# Altium PCB PCB.PcbDoc
Units mm, origin at the board's own origin, x right, y up, seen from the top; angles counter-clockwise.
Board outline 31 x 18 mm, 6 copper layers (L01, L02, L03, L04, L05, L06), stack 0.816 mm thick; 56 components, 32 nets, 187 pads, 137 vias.
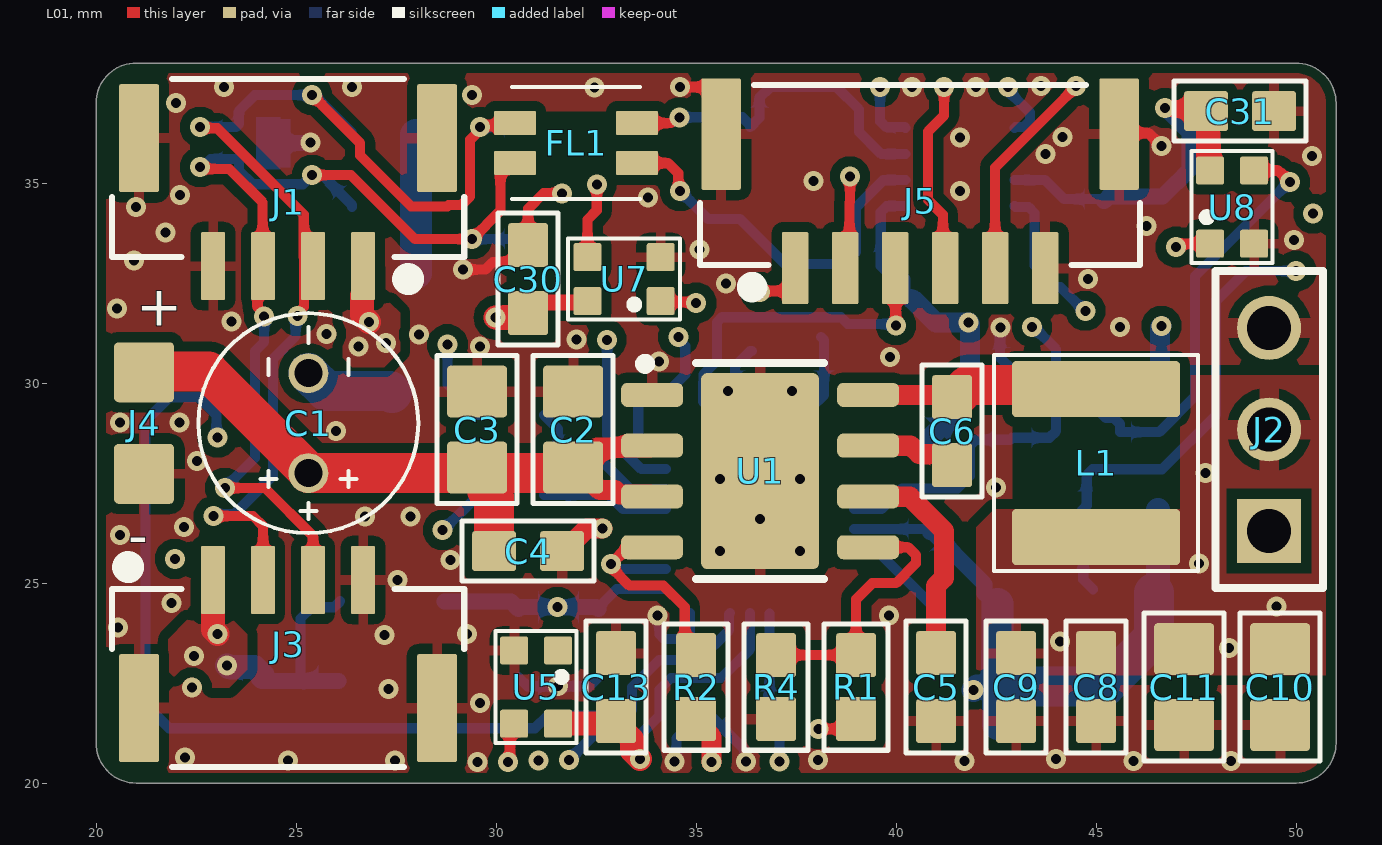
[diagram p0: L01 view]
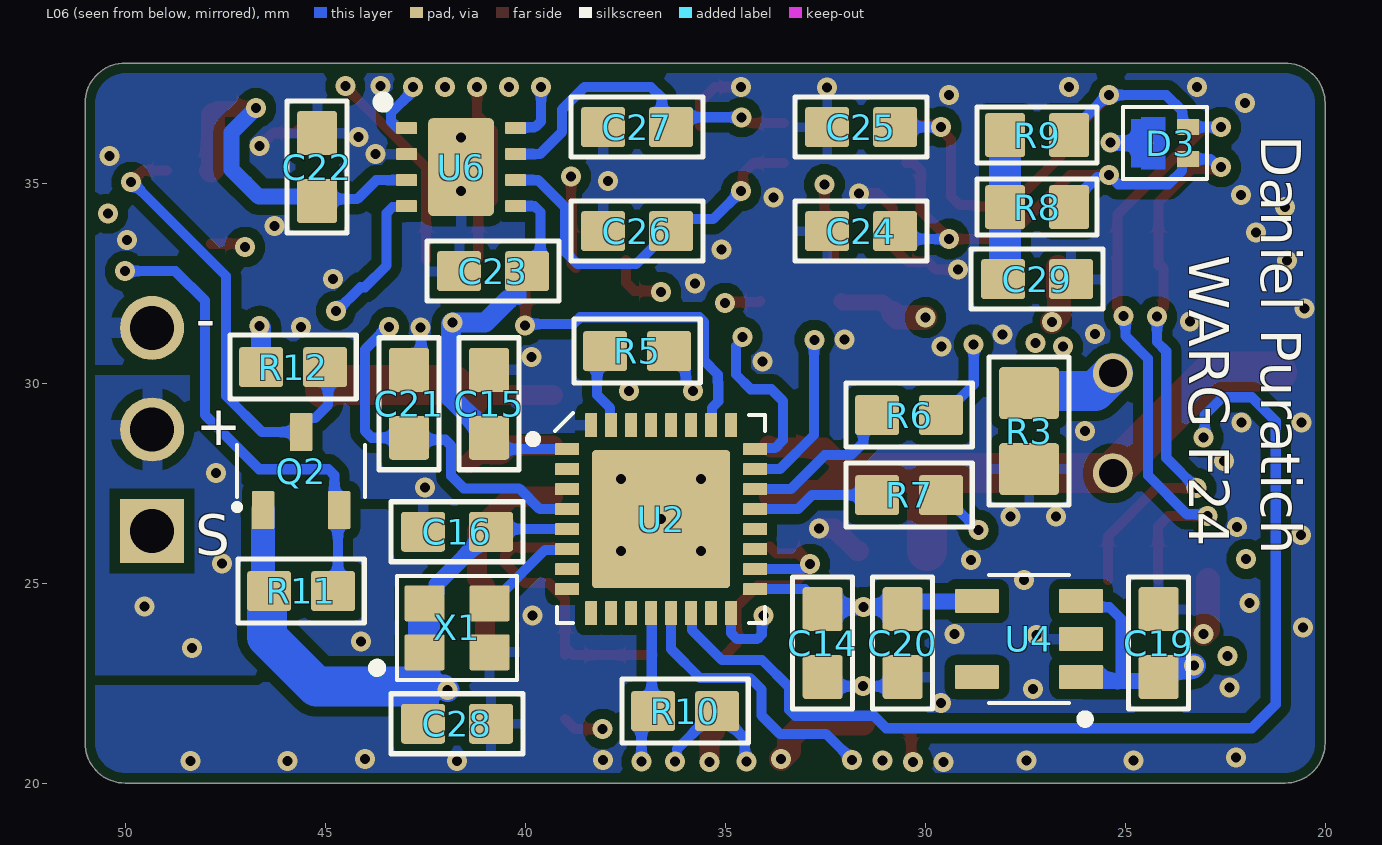
[diagram p1: L06 view, seen from below]
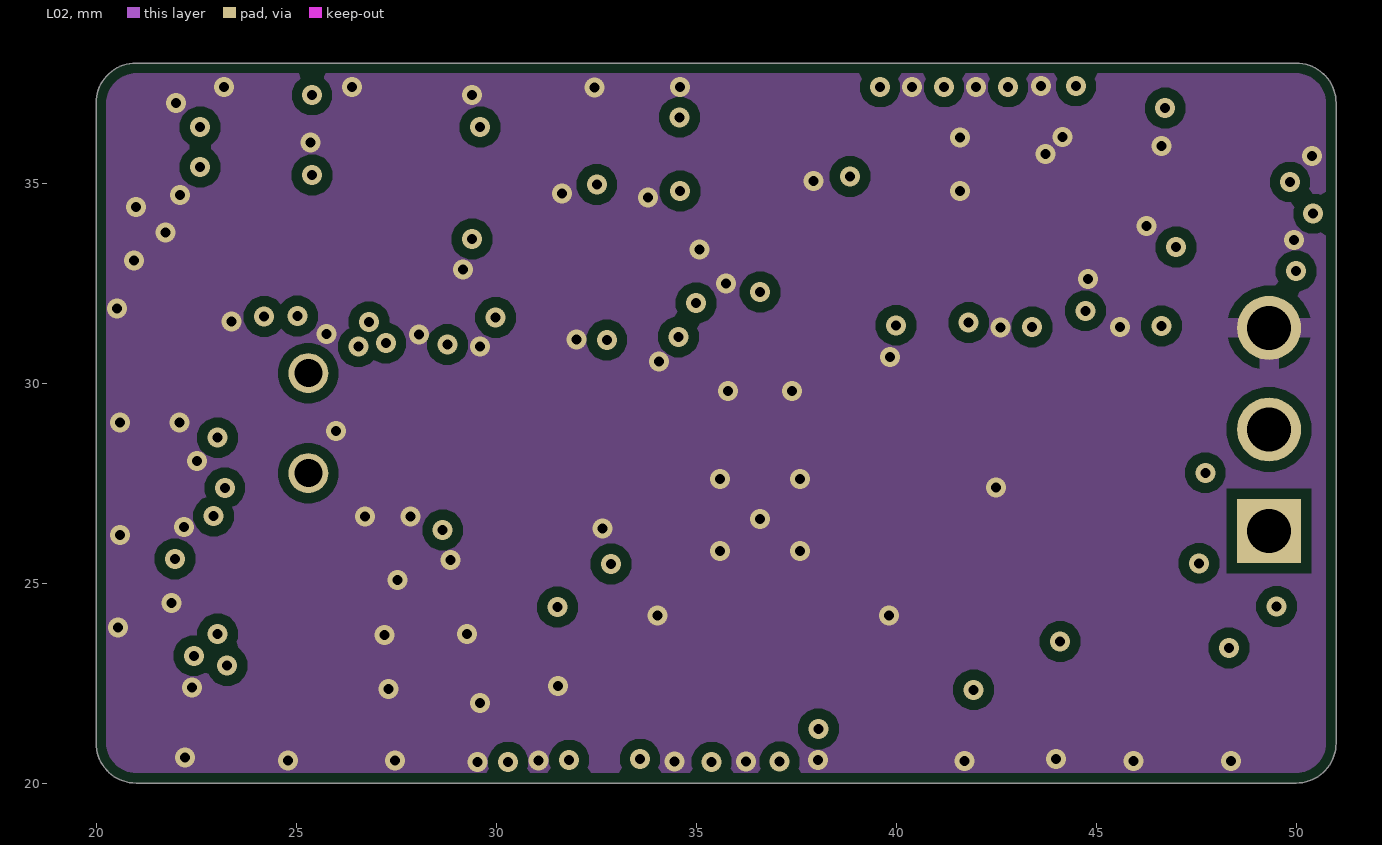
[diagram p2: L02]
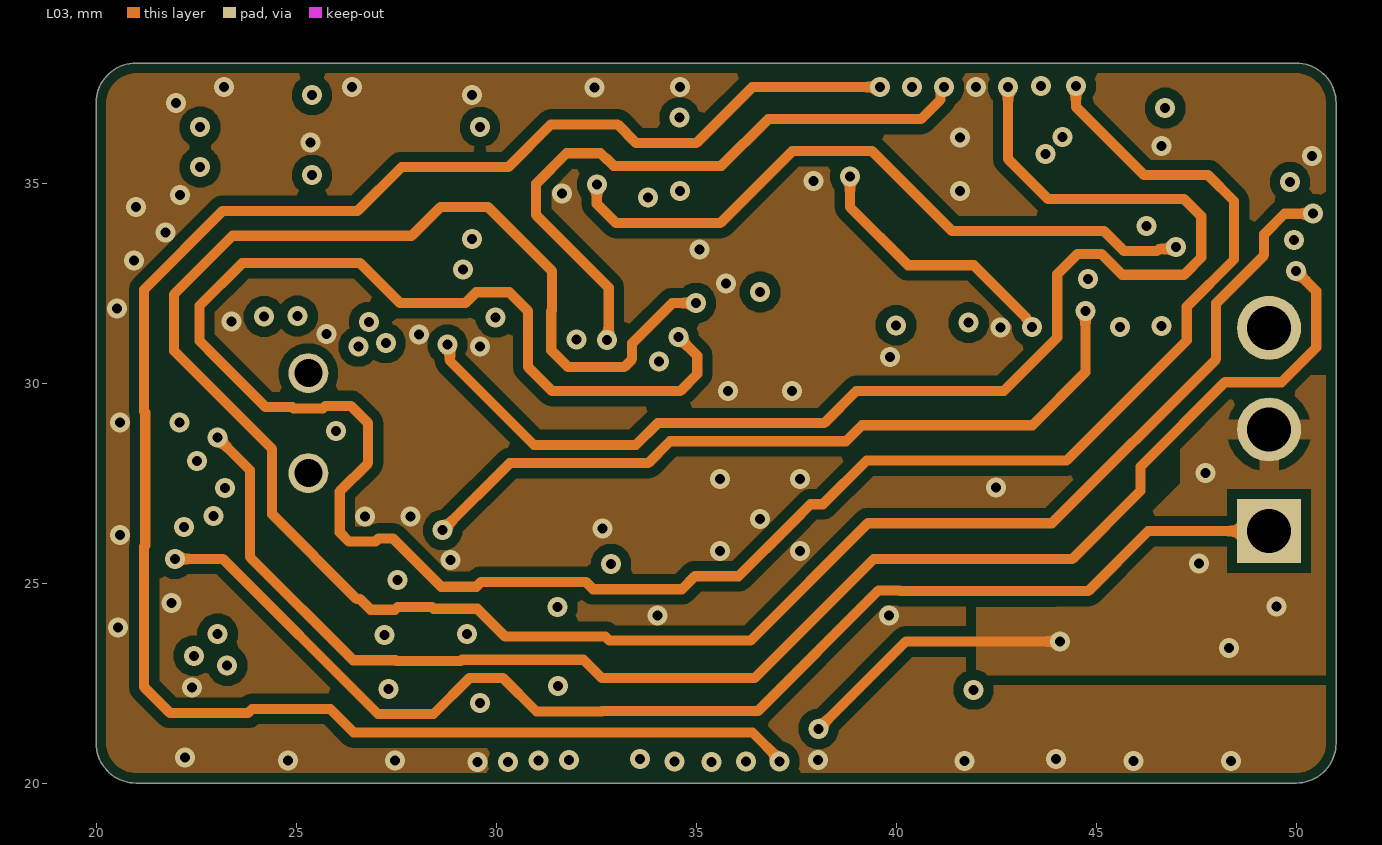
[diagram p3: L03]
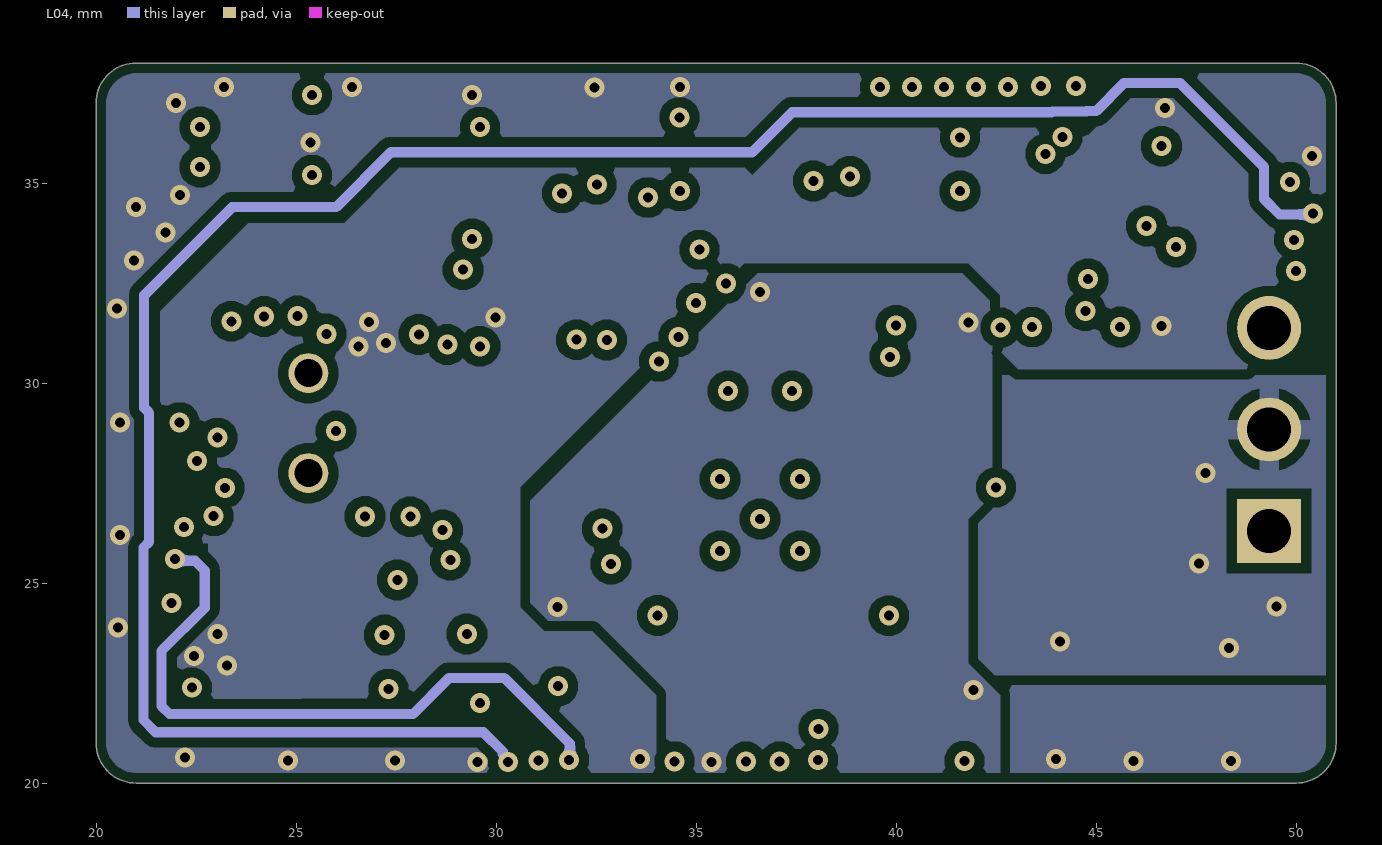
[diagram p4: L04]
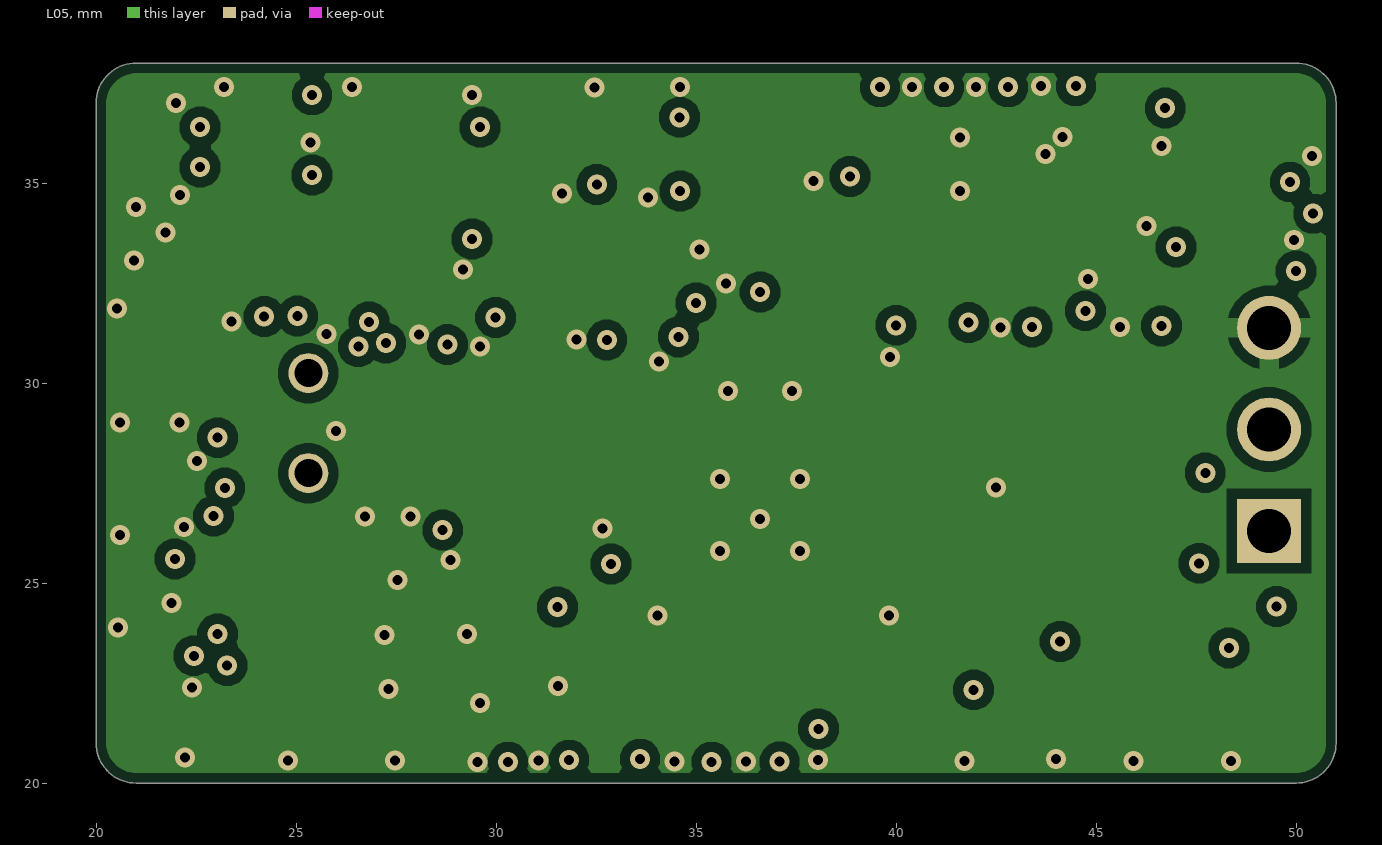
[diagram p5: L05]
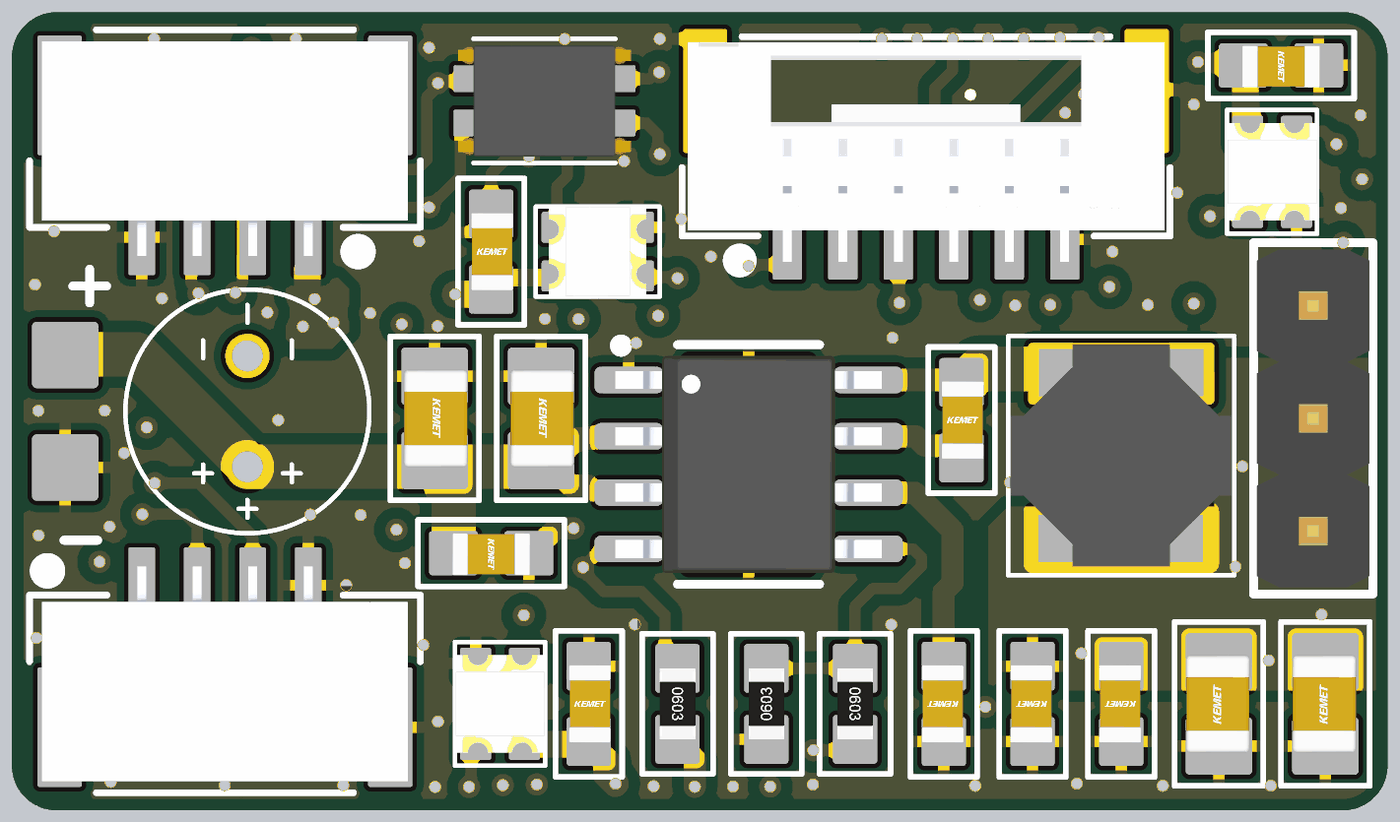
[diagram p6: 3D render of the assembled board from above, using the file's embedded part models]
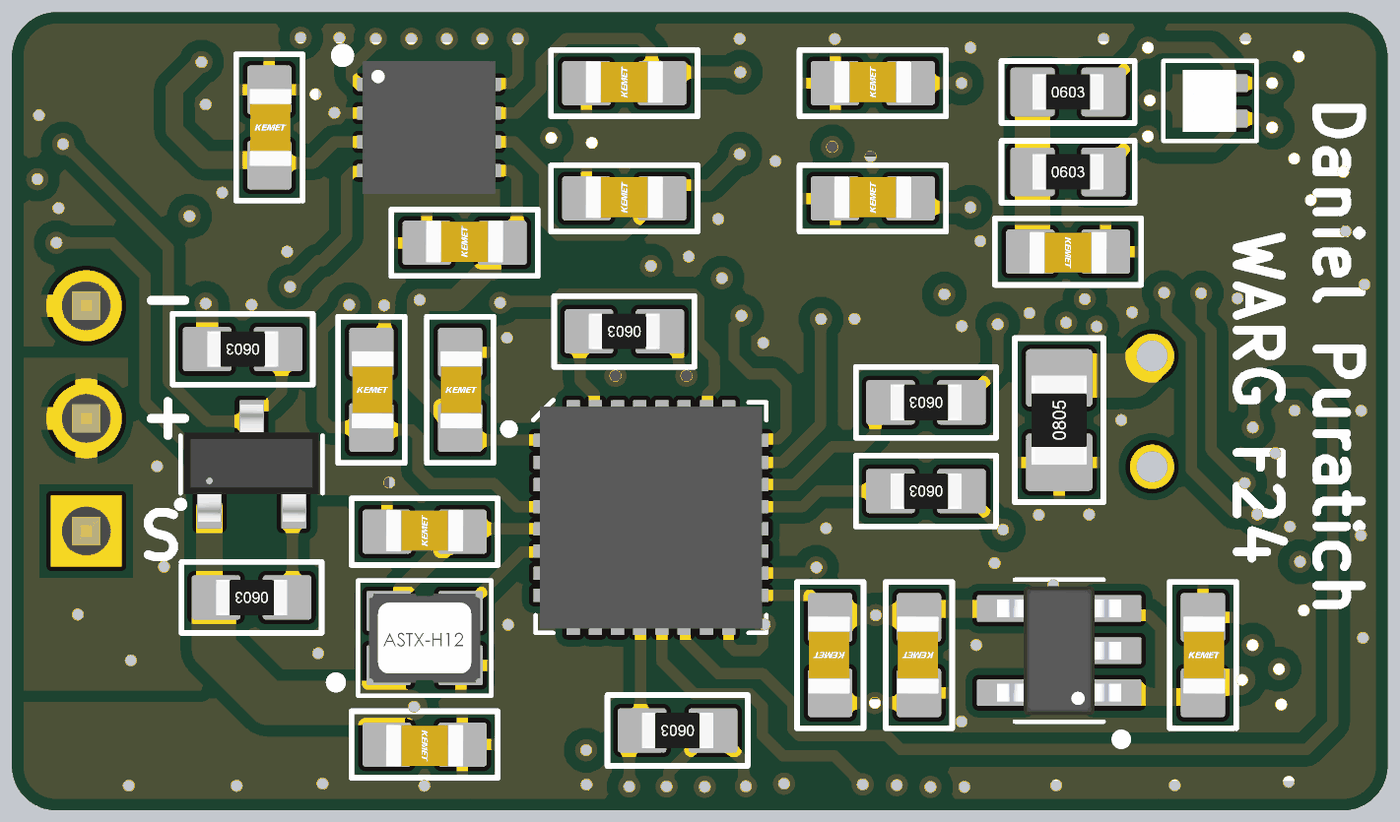
[diagram p7: 3D render of the assembled board from below, using the file's embedded part models]

## Layer stack, top to bottom
Top Solder: solder mask 0.0102, Solder Resist, Dk 3.5
L01: signal copper 0.0356
Dielectric 1: prepreg 0.0711, PP-006, Dk 4.1
L02: signal copper 0.035
Dielectric 2: prepreg 0.0711, PP-006, Dk 4.1
L03: signal copper 0.035
Core: dielectric 0.32, FR-4, Dk 4.8
L04: signal copper 0.035
Dielectric 3: prepreg 0.0711, PP-006, Dk 4.1
L05: signal copper 0.035
Dielectric 4: prepreg 0.0711, PP-006, Dk 4.1
L06: signal copper 0.0356
Bottom Solder: solder mask 0.0102, Solder Resist, Dk 3.5

## Board outline
21,20 cw(c21,21) 20,21 20,37 cw(c21,37) 21,38 50,38 cw(c50,37) 51,37 51,21 cw(c50,21) 50,20

## Design rules (kind name [scope] priority, off if disabled: settings)
AcuteAngle [All] p1: minimum=6.00000000000000E+0001 checktracksonly=FALSE
BoardOutlineClearance [All] p1: gap=0.254 ignorepadtopadclearanceinfootprint=FALSE except(0: Arc-SplitContinuation Track-SplitContinuation SMDPad-SplitContinuation THPad-SplitContinuation Via-SplitContinuation Fill-SplitContinuation Poly-SplitContinuation Region-SplitContinuation Text-SplitContinuation)
Clearance [All] p1: gap=0.254 ignorepadtopadclearanceinfootprint=FALSE except(0.199: Arc-Arc Arc-Track Arc-SMDPad Track-Track Track-SMDPad SMDPad-SMDPad)
MinimumSolderMaskSliver [All] p1: minsoldermaskwidth=0.05
PolygonConnect [All] p1: connectstyle=Relief reliefconductorwidth=0.254 reliefentries=4 polygonreliefangle="90 Angle" airgapwidth=0.254
RoutingVias [All] p1: holewidth=0.711 width=1.27 viastyle="Through Hole" minholewidth=0.711 minwidth=1.27 maxholewidth=0.711 maxwidth=1.27
SilkToSolderMaskClearance [IsPad] p1: minsilkscreentomaskgap=0.05 clearancetoexposedcopper=TRUE
SolderMaskExpansion [All] p1: expansion=0.102 istentingtop=FALSE
SupplyNets "Schematic Supply Nets_6" [InNet('VBATT')] p1: voltage=0.000
SupplyNets "Schematic Supply Nets_4" [InNet('PWR_5V')] p2: voltage=0.000
SupplyNets "Schematic Supply Nets_3" [InNet('GND')] p3: voltage=0.000
SupplyNets "Schematic Supply Nets_2" [InNet('PWR_3V3')] p4: voltage=0.000
SupplyNets "Schematic Supply Nets_1" [InNet('VOUT')] p5: voltage=0.000
Width [All] p1: maxlimit=10 minlimit=0.254 preferedwidth=0.254 minimp=50.000000 maximp=50.000000 favimp=50.000000
28 further rules are at their usual default settings.

## Components (designator, comment, footprint, x,y, rotation, side; value= is the part's Value field where it differs from the comment)
C1 "475CKE100M" 475CKE100M-Footprint-1 25.306,28.997 r90 top
C2 "GRM21BC72A105KE01L" .CAP_0805-Footprint-1 31.925,28.839 r270 top value=1uF
C3 "CL21B224KCFSNWE" .CAP_0805-Footprint-1 29.525,28.839 r270 top
C4 "CC0603KRX7R0BB104" .CAP_0603-Footprint-1 30.8,25.8 r180 top value=100nF
C5 "GRT188R61H105KE13D" .CAP_0603-Footprint-1 41,22.4 r90 top
C6 "CL10B104KB8NNNC" .CAP_0603-Footprint-1 41.4,28.8 r270 top
C8 "GRT188R61H105KE13D" .CAP_0603-Footprint-1 45,22.4 r90 top
C9 "CL10B104KB8NNNC" .CAP_0603-Footprint-1 43,22.4 r90 top
C10 "GRM21BR61H106KE43L" .CAP_0805-Footprint-1 49.6,22.4 r90 top value=10uF
C11 "GRM21BR61H106KE43L" .CAP_0805-Footprint-1 47.2,22.4 r90 top value=10uF
C13 "CL10B104KA8NNNC" .CAP_0603-Footprint-1 33,22.4 r270 top
C14 "GCM188R71C104KA37D" .CAP_0603-Footprint-1 32.56,23.5 r90 bottom value=0.1uF
C15 "GCM188R71C104KA37D" .CAP_0603-Footprint-1 40.9,29.483 r270 bottom value=0.1uF
C16 "GRM188Z71A475KE15J" .CAP_0603-Footprint-1 41.7,26.283 r180 bottom value=4.7uF
C19 "GCM188R71E105KA64D" .CAP_0603-Footprint-1 24.16,23.5 r270 bottom
C20 "GCM188R71E105KA64D" .CAP_0603-Footprint-1 30.56,23.5 r90 bottom
C21 "GCJ188R71E104KA12D" .CAP_0603-Footprint-1 42.9,29.483 r270 bottom value=0.1uF
C22 "CL10B104KA8NNNC" .CAP_0603-Footprint-1 45.2,35.4 r270 bottom
C23 "GCM188R71C104KA37D" .CAP_0603-Footprint-1 40.8,32.8 r180 bottom value=0.1uF
C24 "CC0603JRNPO9BN220" .CAP_0603-Footprint-1 31.6,33.8 r180 bottom value=22pF
C25 "CC0603JRNPO9BN220" .CAP_0603-Footprint-1 31.6,36.4 r180 bottom value=22pF
C26 "CC0603JRNPO9BN220" .CAP_0603-Footprint-1 37.2,33.8 r180 bottom value=22pF
C27 "CC0603JRNPO9BN220" .CAP_0603-Footprint-1 37.2,36.4 r180 bottom value=22pF
C28 "CC0603KRX7R8BB103" .CAP_0603-Footprint-1 41.7,21.483 r0 bottom
C29 "GCM188R71H472KA37D" .CAP_0603-Footprint-1 27.2,32.6 r0 bottom value=4.7nF
C30 "CL10B104KA8NNNC" .CAP_0603-Footprint-1 30.8,32.6 r270 top
C31 "CL10B104KA8NNNC" .CAP_0603-Footprint-1 48.6,36.8 r180 top
D3 "PESD2CANFD24U-QCZ" PESD2CANFD24U-QCZ-Footprint-1 23.8,36 r270 bottom
FL1 "ACT1210D-510-2P-TL00" ACT1210D-510-2P-TL00-Footprint-1 32,36 r0 top
J1 "SM04B-GHS-TB(LF)(SN)" CONN_SM04B-GHS-TB_JST 24.8,34.8 r180 top
J2 "61300311121" 61300311121 49.325,28.839 r90 top
J3 "SM04B-GHS-TB(LF)(SN)" CONN_SM04B-GHS-TB_JST 24.8,23.2 r0 top
J4 "SOLDERPAD" SOLDERPAD_2PIN-Footprint 21.2,29 r0 top
J5 "BM06B-GHS-TBT" BM06B-GHS-TBT-Footprint-1 40.6,35.2 r180 top
L1 "TYS5040220M-10" TYS5040220M-10-Footprint-1 45,28 r270 top
Q2 "BSS138" BSS138-Footprint-1 45.6,27.8 r180 bottom
R1 ".RES_0603" .RES_0603-Footprint-1 39,22.4 r270 top value=?
R2 "RC0603FR-0710KL" .RES_0603-Footprint-1 35,22.4 r270 top value=10k
R3 "RL1220S-R22-F" .RES_0805-Footprint-1 27.4,28.8 r90 bottom
R4 "RC0603FR-0710KL" .RES_0603-Footprint-1 37,22.4 r90 top value=10k
R5 "RC0603FR-0710KL" .RES_0603-Footprint-1 37.2,30.8 r0 bottom value=10k
R6 "RC0603FR-0710RL" .RES_0603-Footprint-1 30.4,29.2 r0 bottom value=10
R7 "RC0603FR-0710RL" .RES_0603-Footprint-1 30.4,27.2 r0 bottom value=10
R8 "RC0603FR-1360R4L" RES0603 27.2,34.4 r180 bottom value=60.4R
R9 "RC0603FR-1360R4L" RES0603 27.2,36.2 r180 bottom value=60.4R
R10 "RC0603FR-0710KL" .RES_0603-Footprint-1 36,21.8 r0 bottom value=10k
R11 "RC0603FR-0710KL" .RES_0603-Footprint-1 45.6,24.8 r0 bottom value=10k
R12 "RC0603FR-0710KL" .RES_0603-Footprint-1 45.8,30.4 r0 bottom value=10k
U1 "LMR36510ADDAR" LMR36510ADDAR_8SOPWR 36.6,27.8 r0 top
U2 "STM32L431KCU6" STM32L431KCU6-Footprint-1 36.6,26.6 r180 bottom
U4 "TLV75533PDBVR" SOT-23-5 27.4,23.6 r0 bottom
U5 "WS2812B-2020" WS2812B-2020-Footprint-1 31,22.4 r90 top
U6 "TJA1051TK/3,118" TJA1051TK_3,118-Footprint-1 41.6,35.4 r180 bottom
U7 "WS2812B-2020" WS2812B-2020-Footprint-1 33.2,32.6 r0 top
U8 "WS2812B-2020" WS2812B-2020-Footprint-1 48.4,34.4 r270 top
X1 "ASDDV-8.000MHZ-LR-T" ASDDV-8.000MHZ-LR-T-Footprint-1 41.7,23.883 r180 bottom

## Footprints (in the part's own frame and the unit in brackets; to place one, negate y for a bottom-side part, rotate by r counter-clockwise, add the part's x,y. Pads: shape width x height; smd on the part's side, far side on the other; paste and mask are expansions set on the pad)
475CKE100M-Footprint-1 [mm]
  round 1 hole 0.7: 1(-1.25,0) 2(1.25,0)
  silkscreen extent -2.75,-2.75 2.75,2.75
61300311121 [mm] "Pin Header, pitch 2.54 mm, THT, Vertical, single row, 3p"
  rect 1.6x1.6 hole 1.1: 1(-2.54,0)
  round 1.6 hole 1.1: 2(0,0) 3(2.54,0)
  silkscreen extent -3.96,-1.35 3.96,1.35, body extent -3.81,-1.27 3.81,1.27, height 8.57
.CAP_0603-Footprint-1 [mm]
  rrect15% 1.1x1 smd: 1(-0.85,0) 2(0.85,0)
  silkscreen extent -1.65,-0.75 1.65,0.75, body extent -0.87,-0.45 0.87,0.5, height 0.87
.CAP_0805-Footprint-1 [mm]
  rrect15% 1.3x1.5 smd: 1(-0.95,0) 2(0.95,0)
  silkscreen extent -1.85,-1 1.85,1, body extent -1.1,-0.7 1.1,0.75, height 1.39
.RES_0603-Footprint-1 [mm]
  rrect15% 1.1x1 smd: 1(-0.8,0) 2(0.8,0)
  silkscreen extent -1.58,-0.8 1.58,0.8, body extent -0.8,-0.4 0.8,0.4, height 0.46
.RES_0805-Footprint-1 [mm]
  rrect15% 1.3x1.5 smd: 1(-0.95,0) 2(0.95,0)
  silkscreen extent -1.85,-1 1.85,1, body extent -1,-0.63 1,0.63, height 0.61
ACT1210D-510-2P-TL00-Footprint-1 [mm]
  rrect10% 1.05x0.6 smd: 1(-1.525,0.5) 2(-1.525,-0.5) 3(1.525,-0.5) 4(1.525,0.5)
  silkscreen extent -1.6,-1.4 1.6,1.4, body extent -1.95,-1.25 1.95,1.25, height 2.5
ASDDV-8.000MHZ-LR-T-Footprint-1 [mm]
  rrect10% 1x0.9 smd: 1(-0.813,-0.613) 2(0.813,-0.613) 3(0.813,0.613) 4(-0.813,0.613)
  silkscreen extent -2.1,-1.3 1.5,1.3, body extent -1.25,-1 1.25,1, height 0.91
BM06B-GHS-TBT-Footprint-1 [mil]
  rrect10% 26x71 smd paste+0: 1(123.03,91.58) 2(73.82,91.58) 3(24.61,91.58) 4(-24.61,91.58) 5(-73.82,91.58) 6(-123.03,91.58)
  rrect10% 39x110 smd paste-55: 7(-195.87,-40.31) 8(195.87,-40.31)
  silkscreen extent -216,-89 216,115, body extent -212,-84 212,111, height 166
BSS138-Footprint-1 [mm]
  rrect10% 0.56x0.95 smd: D(0,0.975) G(-0.95,-0.975) S(0.95,-0.975)
  silkscreen extent -1.63,-0.92 1.6,0.65, body extent -1.52,-1.29 1.53,1.35, height 1.12
CONN_SM04B-GHS-TB_JST [mm]
  rrect10% 0.6x1.7 smd: 1(-1.875,1.876) 2(-0.625,1.876) 3(0.625,1.876) 4(1.875,1.876)
  rrect10% 1x2.7 smd: 5(-3.725,-1.324) 6(3.725,-1.324)
  silkscreen extent -4.4,-2.8 4.4,2.4, body extent -4.13,-2.55 4.13,2.3, height 4.25
LMR36510ADDAR_8SOPWR [mm] "8SOPWR TI"
  rrect50% 1.55x0.6 smd: 1(-2.7,1.905) 2(-2.7,0.635) 3(-2.7,-0.635) 4(-2.7,-1.905) 5(2.7,-1.905) 6(2.7,-0.635) 7(2.7,0.635) 8(2.7,1.905)
  rrect10% 2.95x4.9 smd paste-2539.97: 9(0,0)
  silkscreen extent -3,-2.7 1.6,2.8, body extent -3,-2.45 3,2.45, height 1.7
PESD2CANFD24U-QCZ-Footprint-1 [mm]
  rrect10% 0.4x0.55 smd: 1(0.4,0.375) 2(-0.4,0.375)
  round 0.025 smd: 3(0,-0.5)
  L01 region: -0.6,-1.05 -0.6,-0.8 -0.65,-0.8 -0.65,-0.2 0.65,-0.2 0.65,-0.8 0.6,-0.8 0.6,-1.05 0.2,-1.05 0.2,-0.8 -0.2,-0.8 -0.2,-1.05
  silkscreen extent -0.9,-1.25 0.9,0.85, body extent -0.7,-0.82 0.7,0.4, height 0.49
RES0603 [mm] "SMT Resistor 0603"
  rrect15% 1x1.1 smd: 1(-0.8,0) 2(0.8,0)
  silkscreen extent -1.5,-0.7 1.5,0.7, body extent -0.8,-0.4 0.8,0.4, height 0.46
SOLDERPAD_2PIN-Footprint [mm]
  rrect15% 1.5x1.5 smd: 1(0,1.27) 2(0,-1.27)